# KiCad board for_real_486_2.kicad_pcb (continued)
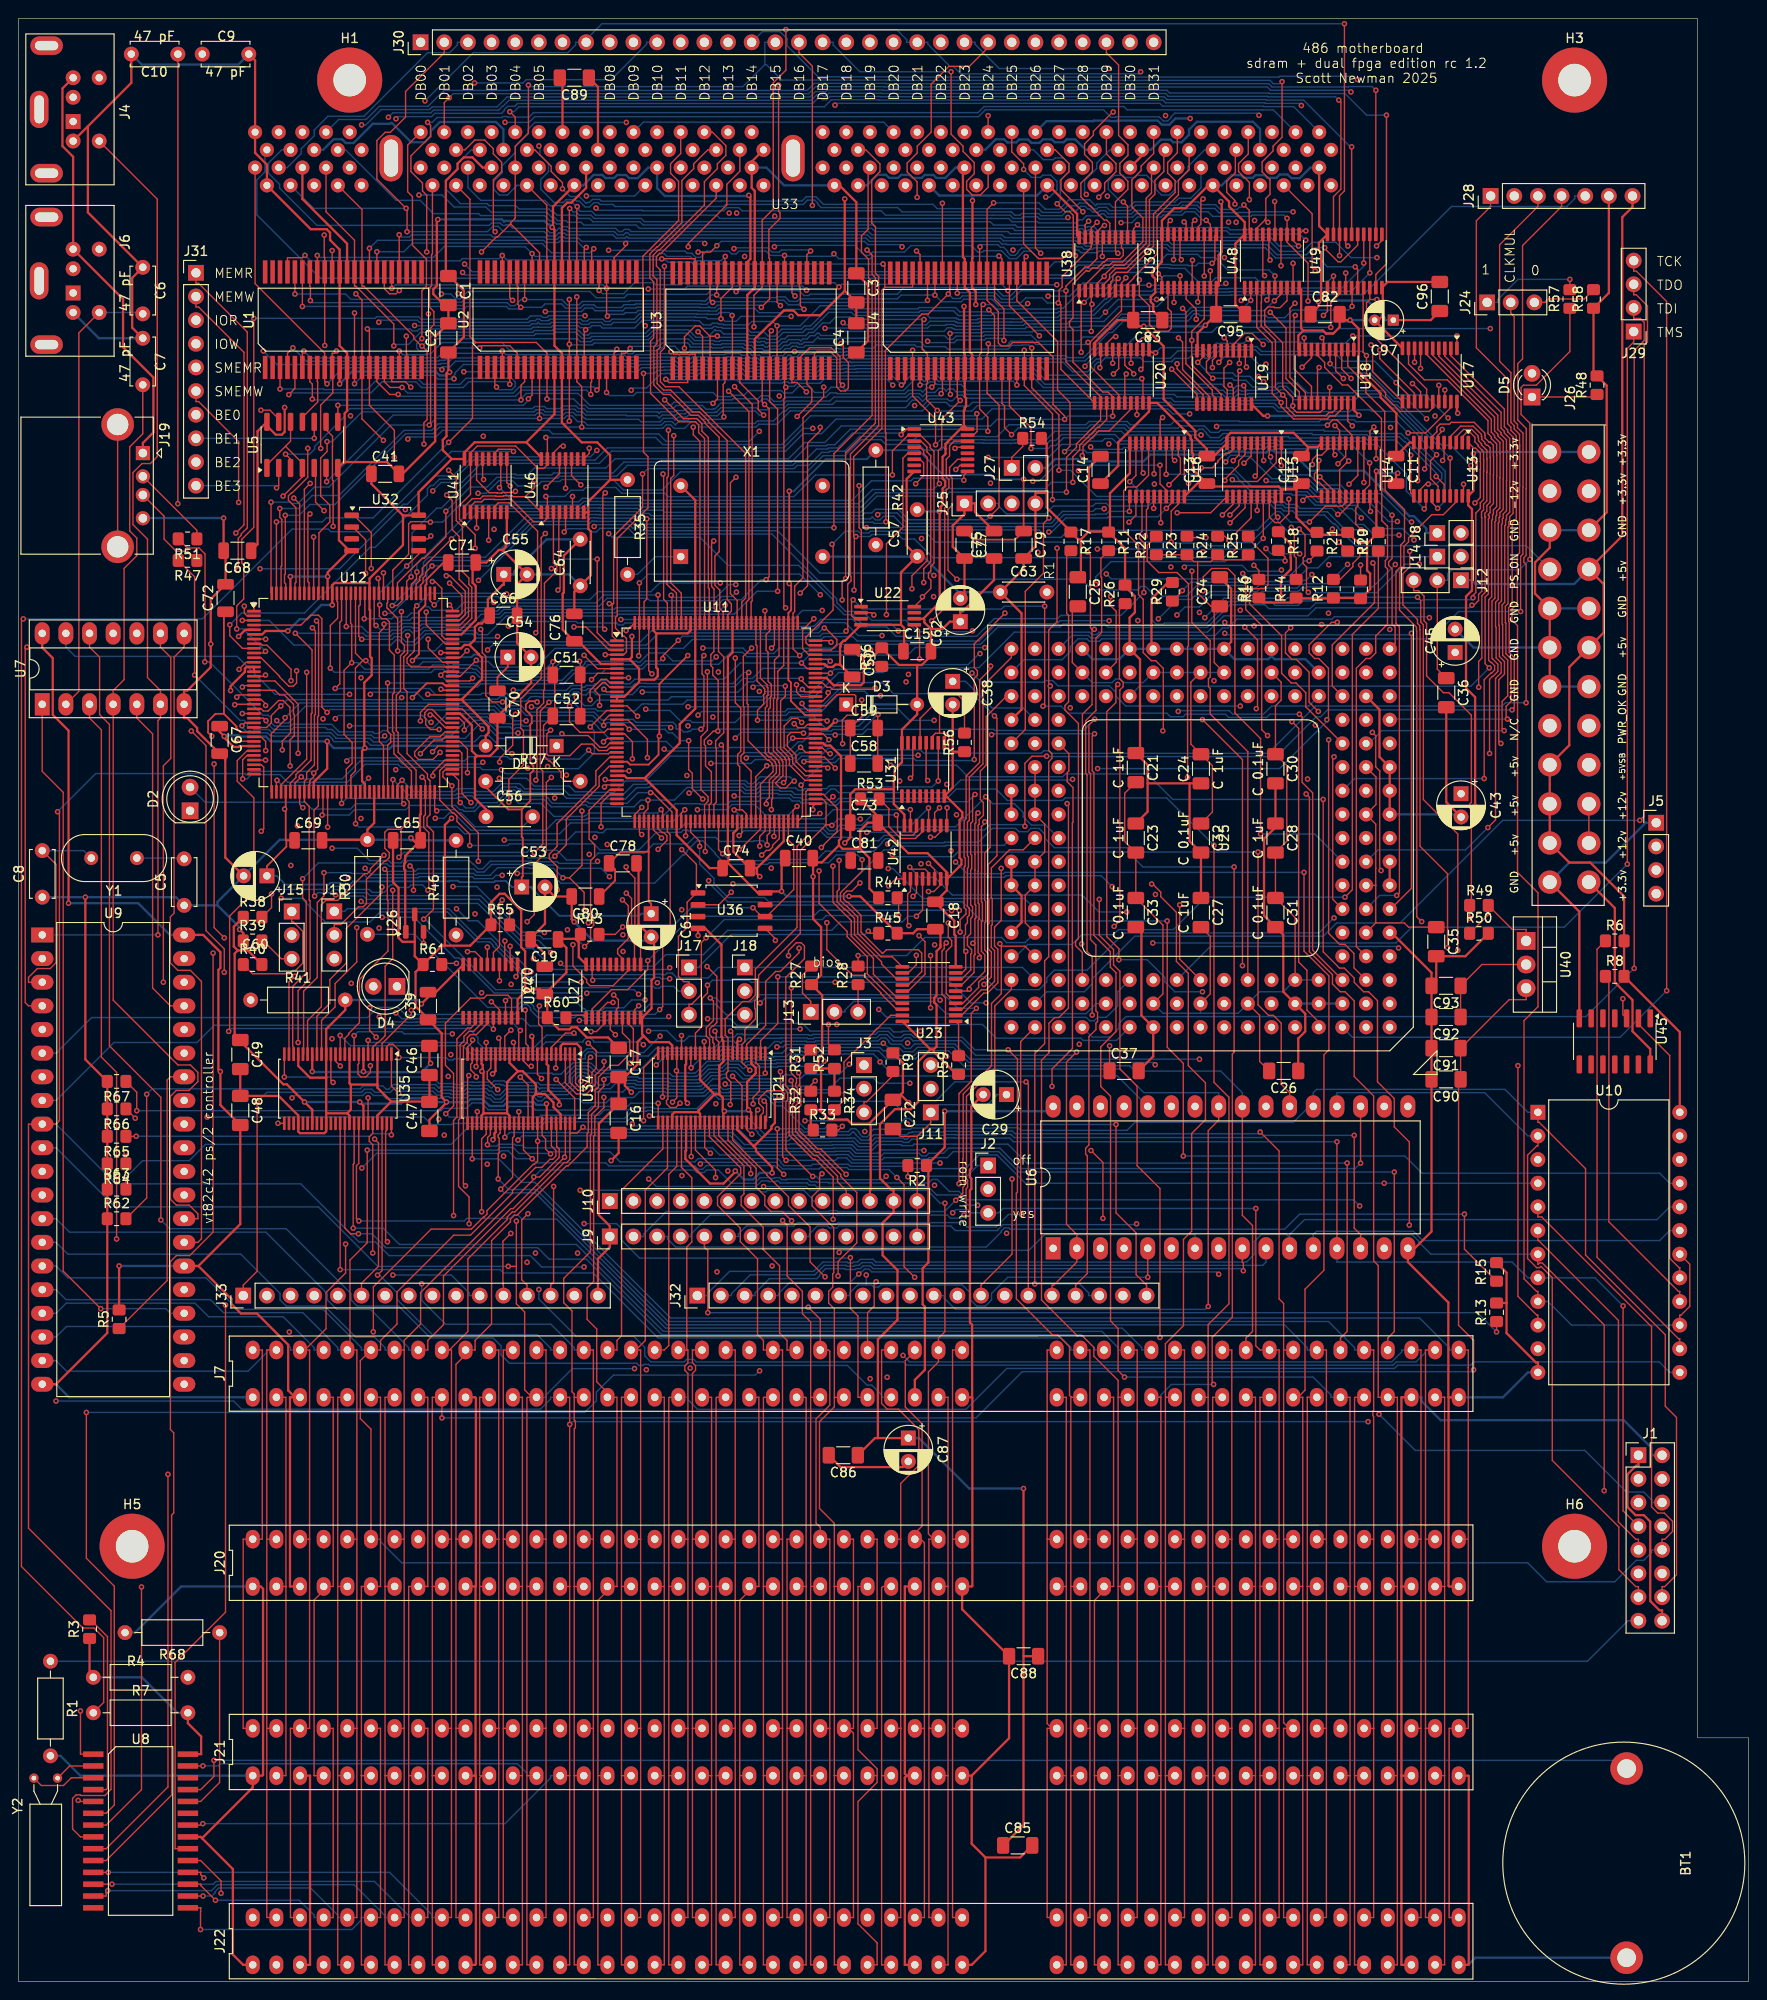
[diagram p0: board, top side]
## Routing (per net, layer and track width the routed paths; a pad name or vN(x,y) marks a point on that pad's centre or on a via; arc(x,y) is an arc through that point) (continued)
Net-(U11E-IOB_105_SDO): length 14.7
  Top w0.15: v1(81.13,122.99) 81.18,123.04 U11.67 ; U36.5 81.28,112 v1(81.28,111.81)
  In2.Cu w0.15: v1(81.28,111.81) 81.28,118.21 81.42,118.35 81.42,122.69 v1(81.13,122.99)
Net-(U11E-IOB_106_SDI): length 14.1
  Top w0.15: U11.68 81.7,124.57 81.7,122.75 80.98,122.02 80.98,121.82 80.64,121.48 80.31,121.48 v1(79.81,120.98) ; U36.2 75.2,115.64 v1(76.55,116.99)
  In2.Cu w0.15: v1(79.81,120.98) 79.81,120.16 76.64,116.99 v1(76.55,116.99)
Net-(U11E-IOB_107_SCK): length 31.3
  Top w0.15: U11.70 82.68,122.57 83.26,122 83.26,117.28 80.35,114.37 U36.6 79.83,114.37 v1(78.88,115.32) ; R43.2 64.09,112.46 v1(64.89,113.26)
  Bottom w0.15: v1(64.89,113.26) 70.19,113.26 71.46,114.53 71.46,114.53 71.8,114.87 71.8,114.87 72.25,115.32 v1(78.88,115.32)
Net-(U11E-VCC_SPI): length 46.9
  Top w0.15: v1(102.65,131.24) 102.65,139.96 102.99,140.3 102.99,140.77 102.65,141.11 102.65,143.67 v1(105.94,146.97) ; U11.72 84.19,125.1 84.19,128.35 v1(84.04,128.5)
  In1.Cu w0.15: v1(105.94,146.97) 108.2,149.22 C63.2
  Bottom w0.15: v1(84.04,128.5) 86.45,130.91 87.68,130.91 88.12,131.35 96.16,131.35 96.39,131.13 102.54,131.13 v1(102.65,131.24)
Net-(U11E-VCCPLL0): length 74.3
  Top w0.15: v1(90.56,137.64) 90.56,135.85 C59.1 C58.1 ; v1(74.66,154.72) 74.44,154.49 74.44,149.82 74.7,149.56 74.7,147.49 75.18,147.01 U11.126 75.18,142.83 75.74,142.27 75.74,134.12 74.87,133.25 74.87,132.54 74.94,132.47 74.94,126.64 74.68,126.39 U11.54
  In1.Cu w0.15: R42.2 88.24,154.31 87.62,154.93 74.88,154.93 v1(74.66,154.72)
  In2.Cu w0.15: R42.2 92.08,148.79 90.58,147.3 90.58,147.19 90.3,146.91 90.3,144.27 89.82,143.79 89.82,140.95 89.95,140.82 89.95,140.32 90.3,139.97 90.3,137.9 v1(90.56,137.64)
Net-(U12E-GNDPLL0): length 54.5
  Top w0.15: U12.53 35.19,130.2 35.82,130.83 35.82,133.07 34.96,133.93 34.96,140.82 v1(35.78,141.64) 35.78,145.75 35.66,145.87 35.66,149.06 U12.127 ; v1(60.25,141.78) 60.33,141.71 60.33,140.33 60.46,140.2 60.46,136.03 60.33,135.89
  Bottom w0.15: v1(35.78,141.64) 36.48,141.64 37.18,140.94 44.03,140.94 44.47,141.38 45.67,141.38 46.33,140.73 46.51,140.73 46.81,141.03 48.72,141.03 48.82,140.93 49.15,140.93 49.66,140.42 54.39,140.42 54.42,140.44 56.95,140.44 58.29,141.78 v1(60.25,141.78)
Net-(U12E-IOB_105_SDO): length 29.5
  Top w0.15: v1(38.78,147.85) 38.75,147.82 38.75,146.64 39.03,146.36 39.49,146.36 39.83,146.02 39.83,142.98 40.34,142.47 40.34,138.42 40.17,138.25 40.17,134.24 40.31,134.09 40.31,131.87 42.19,129.99 U12.67 ; v1(41.69,152.02) 42.97,153.31 U32.5
  Bottom w0.15: v1(41.69,152.02) 38.78,149.12 v1(38.78,147.85)
Net-(U12E-IOB_106_SDI): length 32.3
  Top w0.15: U12.68 42.69,130.1 40.77,132.02 40.77,134.13 40.57,134.33 40.57,138.15 41.02,138.6 41.02,142.4 41.43,142.81 41.43,143.53 41.12,143.84 v1(41.12,147.13) ; v1(37.27,151.23) 37.27,154.84 35.9,156.21 U32.2
  In1.Cu w0.15: v1(41.12,147.13) 41.12,147.61 40.37,148.35 40.03,148.35 37.27,151.11 v1(37.27,151.23)
Net-(U12E-IOB_107_SCK): length 62.8
  Top w0.15: v1(44.28,155.25) 43.96,154.94 U32.6 ; v1(43.96,117.2) 44.06,117.31 44.06,123.39 43.52,123.94 43.52,125.14 43.69,125.31 43.69,127.76 U12.70 43.69,128.97 43.34,129.33 v1(43.34,129.35) ; v1(27.17,116.81) 27.17,115.34 R38.2
  In2.Cu w0.15: v1(43.34,129.35) 43.74,129.76 43.74,134.62 43.73,134.63 43.73,135.63 43.61,135.75 43.61,136.54 44.57,137.49 44.57,143.37 45.4,144.21 45.4,146.92 45.58,147.09 45.58,150.53 45.36,150.75 45.36,154.17 v1(44.28,155.25)
  Bottom w0.15: v1(43.96,117.2) 43.38,117.78 42.18,117.78 41.9,117.5 40.7,117.5 40.42,117.78 39.94,117.78 39.61,117.44 39.61,117.3 39.28,116.97 37.98,116.97 37.67,117.29 34.76,117.29 34.43,117.62 33.66,117.62 33.33,117.29 27.64,117.29 v1(27.17,116.81)
Net-(U12E-VCC_SPI): length 13.7
  Top w0.15: v1(44.9,125.73) 44.69,125.94 U12.72
  Bottom w0.15: C56.2 54.12,124.01 49.01,124.01 47.52,125.5 47.24,125.5 46.88,125.85 45.03,125.85 v1(44.9,125.73)
Net-(U12E-VCCPLL0): length 60.1
  Top w0.15: v1(57.39,141.74) 57.38,141.72 C51.1 57.59,140.12 57.59,136.1 C52.1 56.39,134.9 56.39,131.66 56.98,131.06 57.09,131.06 58.27,129.89 58.27,129.34 58.7,128.91 60.33,128.91 ; 36.98,141.86 36.17,141.06 36.17,130.01 35.69,129.53 U12.54 ; 36.98,141.86 36.19,142.65 36.19,149.09 U12.126 ; 36.98,141.86 v1(37.3,141.86)
  Bottom w0.15: v1(37.3,141.86) 37.87,141.29 42.99,141.29 43.44,141.74 45.82,141.74 46.42,141.14 46.69,141.42 48.83,141.42 48.92,141.33 49.25,141.33 49.81,140.77 54.25,140.77 54.27,140.79 56.45,140.79 v1(57.39,141.74)
Net-(U13-A->B): length 24.1
  Top w0.15: v1(156.43,158.8) 157,159.38 157,162.38 157.02,162.4 157.02,163.25 157,163.27 157,164.17 156.84,164.34 156.5,164.68 156.31,164.68 155.71,165.28 ; R10.2 v1(144.14,152.13)
  In1.Cu w0.15: v1(144.14,152.13) 144.24,152.13 148.68,156.57 148.68,156.66 150.82,158.8 v1(156.43,158.8)
Net-(U14-A->B): length 17.5
  Top w0.15: v1(144.06,153.62) 144.06,153.04 143.32,152.31 143.32,151.96 141.95,150.59 R12.2 ; U14.1 145.81,165.21 v1(145.81,163.54)
  In2.Cu w0.15: v1(144.06,153.62) 143.64,154.04 143.64,160.24 143.83,160.43 143.83,161.28 145.08,162.53 145.35,162.53 145.81,162.98 v1(145.81,163.54)
Net-(U15-A->B): length 15.3
  Top w0.15: v1(136.71,156.17) 136.71,155.9 137.02,155.58 137.02,153.1 137.22,152.9 R14.2 ; U15.1 v1(135.64,162.8)
  In2.Cu w0.15: v1(135.64,162.8) 135.82,162.62 135.82,157.05 v1(136.71,156.17)
Net-(U16-A->B): length 20.7
  Top w0.15: R16.2 133.22,151.55 v1(132.68,152.09) ; 125.21,165.22 125.21,161.35 v1(125.66,160.9)
  In1.Cu w0.15: v1(132.68,152.09) 130.91,153.87 127.52,153.87 v1(127.22,153.56)
  In2.Cu w0.15: v1(125.66,160.9) 126.86,159.71 126.86,157.48 127.19,157.14 127.19,156.37 126.97,156.15 126.97,153.82 v1(127.22,153.56)
Net-(U21-1DIR): length 88.2
  Top w0.15: U21.1 v1(80.2,97.56) ; R62.2 13.76,84.15 v1(13.76,95.28)
  Bottom w0.15: v1(13.76,95.28) 14.34,95.86 36.69,95.86 37.01,96.18 39.12,96.18 39.47,95.84 39.76,95.84 40.25,96.33 44.77,96.33 45.15,95.95 45.28,96.08 46.63,96.08 46.73,95.98 47.69,95.98 47.95,96.24 48.63,96.24 48.65,96.22 49.54,96.22 49.56,96.24 50.44,96.24 50.7,95.98 50.83,95.98 51.22,96.37 51.7,96.37 51.79,96.28 52.1,96.28 52.18,96.2 55.63,96.2 55.98,95.85 56.09,95.95 57.35,95.95 57.36,95.94 58.54,95.94 59.12,96.51 59.12,97.23 59.87,97.98 60.93,97.98 60.99,97.92 61.21,97.92 61.99,97.14 61.99,96.66 62.36,96.29 63.29,96.29 63.79,96.79 66.34,96.79 66.51,96.63 69.84,96.63 69.95,96.51 71.54,96.51 71.56,96.49 72.92,96.49 72.94,96.51 73.14,96.51 74.26,97.63 75.25,97.63 75.38,97.77 75.71,97.77 76.11,98.16 76.17,98.16 76.18,98.15 77.2,98.15 78.06,97.29 79.93,97.29 v1(80.2,97.56)
Net-(U21-1~{OE}): length 73.9
  Top w0.15: R66.1 v1(12.53,92.71) ; v1(80.08,94.55) 80.34,94.29 80.34,92.41 U21.48
  In1.Cu w0.15: v1(20.25,92.84) 19.89,93.2 13.18,93.2 12.7,92.71 v1(12.53,92.71)
  Bottom w0.15: v1(80.08,94.55) 79.8,94.83 78.25,94.83 78.12,94.7 77.83,94.7 77.71,94.82 76.64,94.82 76.57,94.75 75.22,94.75 74.8,95.17 74.78,95.17 73,93.39 68.14,93.39 67.99,93.54 67.51,93.54 67.43,93.45 65.87,93.45 65.09,92.68 56.42,92.68 55.9,92.15 46.63,92.15 46.51,92.03 44.34,92.03 43.53,92.84 v1(20.25,92.84)
Net-(U21-2DIR): length 67.5
  Top w0.15: v1(67.13,92.45) 67.13,98.13 U21.24 ; v1(11.52,86.36) R63.2
  Bottom w0.15: v1(11.52,86.36) 13.32,88.15 18.31,88.15 20.06,89.9 46.45,89.9 48.35,91.8 56.04,91.8 56.57,92.33 65.32,92.33 65.67,92.68 66.9,92.68 v1(67.13,92.45)
Net-(U21-2~{OE}): length 63
  Top w0.15: v1(12.69,93.52) 12.69,95.5 R67.1 ; U21.25 v1(68.7,94.32)
  Bottom w0.15: v1(68.7,94.32) 65.74,94.32 65.4,93.98 61.57,93.98 61.18,93.59 55.49,93.59 55.09,93.99 52.72,93.99 52.35,93.62 50.43,93.62 49.69,94.36 48.7,94.36 48.12,93.78 45.65,93.78 45.39,93.52 v1(12.69,93.52)
Net-(U22-1G): length 8.4
  Top w0.15: v1(91.5,141.67) 92.28,141.67 R36.1 ; U22.2 91.62,147.01 v1(91.86,146.77)
  In2.Cu w0.15: v1(91.5,141.67) 92.08,142.25 92.08,143.9 91.7,144.28 91.7,146.6 v1(91.86,146.77)
Net-(U22-CLKIN): length 17
  Top w0.15: U22.1 90.52,147.69 90.52,155.43 90.51,155.43 90.51,155.9 90.28,156.14 v1(90.28,160.65)
  In1.Cu w0.15: X1.8 v1(90.28,160.65)
Net-(U23-A->B): length 3.8
  Top w0.15: U23.1 100.97,102.81 R59.2
Net-(U23-CE): length 13.9
  Top w0.15: U23.19 93.68,103.77 88.65,98.74 88.65,94.64 R34.2
Net-(U24-A->B): length 10
  Top w0.15: v1(53.42,107.93) 53.6,108.1 U24.1 ; v1(47.03,109.35) 45.58,109.35 R61.2
  In1.Cu w0.15: v1(47.03,109.35) 52,109.35 v1(53.42,107.93)
Net-(U24-CE): length 68.2
  Top w0.15: v1(45.88,93.2) 46.72,94.04 46.72,97.52 45.84,98.39 45.84,102.92 48.54,105.61 49.97,105.61 50.29,105.93 52.56,105.93 52.95,105.54 U24.19 ; v1(88.48,91.84) 88.08,91.44 R33.2
  Bottom w0.15: v1(45.88,93.2) 46.26,92.83 55.9,92.83 56.1,93.03 62.35,93.03 62.92,93.61 65.53,93.61 65.72,93.81 67.28,93.81 67.37,93.89 68.14,93.89 68.29,93.74 72.86,93.74 74.64,95.52 74.94,95.52 75.36,95.1 76.42,95.1 76.49,95.17 77.85,95.17 77.94,95.08 78.01,95.08 78.1,95.18 80.31,95.18 80.76,94.74 80.76,94.56 81.27,94.04 82.03,94.04 84.5,91.58 86.56,91.58 86.83,91.84 v1(88.48,91.84)
Net-(U25-DP0): length 29.1
  Top w0.15: U25.N3 138.26,136.9 138.26,138.4 137.2,139.46 136.7,139.46 135.66,140.5 135.66,144.53 132.22,147.97 132.22,149.18 132.64,149.59 133.78,149.59 134.2,150.01 134.2,152.85 132.08,154.98 R25.2
Net-(U25-DP1): length 62.9
  Top w0.15: U25.F1 147.39,115.19 149.6,117.4 v1(149.6,144.8) ; v1(130,154.77) 129.54,155.23 R24.2
  In2.Cu w0.15: v1(129.56,144.8) 128.98,145.37 128.98,146.21 129.19,146.42 129.19,152.73 129.2,152.74 129.2,153.74 130,154.54 v1(130,154.77)
  Bottom w0.15: v1(149.6,144.8) 149.44,144.63 129.72,144.63 v1(129.56,144.8)
Net-(U25-DP2): length 53
  Top w0.15: v1(133.4,123.24) 133.4,133.49 130.65,136.25 130.65,151.01 129.89,151.76 128.14,151.76 127.23,150.85 v1(127.23,149.36) ; R23.2 125.66,155.07 v1(127.54,155.07)
  In1.Cu w0.15: v1(127.54,155.07) 126.58,154.11 126.58,152.73 127.23,152.07 v1(127.23,149.36)
  Bottom w0.15: U25.H3 139.22,123.24 v1(133.4,123.24)
Net-(U25-DP3): length 61
  Top w0.15: v1(125.56,129.33) 125.56,143.36 125.66,143.45 125.66,150.1 124.44,151.32 122.47,151.32 121.23,152.56 121.23,154.24 R22.2
  In2.Cu w0.15: v1(125.56,129.33) 125.56,121.31 136.05,110.83 136.05,103.55 U25.A5
Net-(U25-FERR): length 47.6
  Top w0.15: U25.C14 114.25,110.52 113.54,111.24 113.54,111.72 113.83,112.01 113.83,135.11 112.39,136.56 112.39,137.04 112.78,137.43 112.78,146.72 112.58,146.93 112.58,153.22 R17.2
Net-(U25-IGNNE): length 55.4
  Top w0.15: R11.2 116.26,152.85 116.26,150.87 116.33,150.8 116.33,144.9 115.72,144.28 115.72,136.51 114.62,135.41 114.62,129.74 114.76,129.59 114.76,110.62 115.32,110.06 v1(115.32,103.79)
  In1.Cu w0.15: U25.A15 113.01,103.79 v1(115.32,103.79)
Net-(U25-NMI): length 46.2
  Top w0.15: v1(117.67,113.32) 118.29,113.93 118.29,138.71 118.64,139.06 118.64,139.54 118.24,139.94 118.24,147.38 R26.1
  In2.Cu w0.15: v1(117.67,113.32) 112.98,108.63 112.98,106.3 U25.B15
Net-(U27-A->B): length 2.4
  Top w0.15: R60.2 59.06,103.78 60.68,103.78 U27.1
Net-(U27-CE): length 32.3
  Top w0.15: v1(86.99,102.78) 86.99,100.7 R52.2 ; v1(61.66,107.52) 61.61,107.58 U27.19
  In1.Cu w0.15: v1(69.93,107.7) 79.4,107.7 84.32,102.78 v1(86.99,102.78)
  Bottom w0.15: v1(69.93,107.7) 68.99,107.7 68.85,107.84 68.37,107.84 68.23,107.7 61.84,107.7 v1(61.66,107.52)
Net-(U31-SER): length 11.2
  Top w0.15: v1(99.73,126.06) 99.69,126.03 99.69,124.15 ; v1(95.79,129.23) 96.05,129.49 96.05,132.91 U31.14
  In1.Cu w0.15: v1(95.79,129.23) 96.56,129.23 v1(99.73,126.06)
Net-(U31-~{OE}): length 12.2
  Top w0.15: U31.13 96.83,135.66 99.43,138.25 100.81,138.25 101.6,137.47 R56.2
Net-(U35-1DIR): length 56.1
  Top w0.15: v1(40.81,95.39) 40.04,96.17 U35.1 ; R32.2 85.09,96.25 v1(85.57,96.73)
  Bottom w0.15: v1(85.57,96.73) 85.01,96.17 82.43,96.17 82.02,96.58 76.51,96.58 76.03,97.06 75.68,97.06 75.54,96.93 74.55,96.93 73.43,95.81 73.23,95.81 73.21,95.79 71.27,95.79 71.25,95.81 69.66,95.81 69.54,95.92 66.21,95.92 66.05,96.08 65.45,96.08 64.9,95.53 61.96,95.53 61.29,96.2 61.29,96.84 60.92,97.22 60.69,97.22 60.63,97.28 60.16,97.28 59.82,96.94 59.82,96.46 60.01,96.27 58.97,95.24 57.07,95.24 57.05,95.25 56.38,95.25 56.14,95.01 56.08,95.01 56.06,95.02 55.81,95.02 55.34,95.5 52.48,95.5 52.39,95.41 52.39,95.41 51.84,94.86 51.84,94.86 51.75,94.78 51.16,94.78 50.75,95.19 50.5,95.19 50.15,95.53 49.85,95.53 49.83,95.51 48.36,95.51 48.34,95.53 48.24,95.53 47.98,95.28 46.44,95.28 46.34,95.38 45.57,95.38 45.39,95.2 44.9,95.2 44.48,95.62 41.04,95.62 v1(40.81,95.39)
Net-(U35-1~{OE}): length 29.9
  Top w0.15: v1(12.63,90.78) 12.62,90.76 R65.1 ; U35.48 v1(40.04,90.92)
  Bottom w0.15: v1(12.63,90.78) 37.72,90.78 38,91.05 39.91,91.05 v1(40.04,90.92)
Net-(U35-2DIR): length 63.4
  Top w0.15: U35.24 v1(28.54,97.13) ; R31.2 84.02,98.99 v1(83.77,98.99)
  Bottom w0.15: v1(83.77,98.99) 83.42,98.64 81.45,98.64 81.37,98.56 79.16,98.56 78.93,98.8 78.16,98.8 77.85,98.49 77.49,98.85 76.47,98.85 76.3,99.02 75.97,99.02 75.42,98.47 75.09,98.47 75.03,98.41 74.04,98.41 72.85,97.22 72.65,97.22 72.62,97.2 71.86,97.2 71.83,97.22 70.24,97.22 69.93,97.52 62.1,97.52 61.36,98.27 61.13,98.27 61.07,98.33 59.72,98.33 58.76,97.38 58.76,96.74 58.32,96.29 57.5,96.29 57.49,96.31 56.02,96.31 55.78,96.55 52.32,96.55 52.16,96.72 51.07,96.72 50.76,96.41 50.59,96.59 49.41,96.59 49.39,96.57 48.8,96.57 48.78,96.59 47.8,96.59 47.55,96.33 46.88,96.33 46.78,96.44 45.16,96.44 44.46,97.13 v1(28.54,97.13)
Net-(U35-2~{OE}): length 19.5
  Top w0.15: R64.1 v1(11.52,89.02) ; U35.25 v1(27.86,92.17)
  In1.Cu w0.15: v1(11.52,89.02) 12.05,89.02 13.84,90.81 26.49,90.81 v1(27.86,92.17)
Net-(U40-ADJ): length 10.2
  Top w0.15: R50.1 157.86,114.57 R49.2 160.44,112.99 161.93,112.99 U40.1
Net-(U41-DS): length 56.1
  Top w0.15: U41.10 51.79,160.58 v1(51.65,160.44) ; v1(101.53,161.24) 101.53,161.79 U43.9
  Bottom w0.15: v1(51.65,160.44) 53.17,158.92 60.17,158.92 60.56,159.31 62.78,159.31 62.78,159.31 66.9,159.31 67.13,159.08 89.52,159.08 91.62,161.18 95.85,161.18 96.12,161.45 99.14,161.45 99.18,161.41 101.35,161.41 v1(101.53,161.24)
Net-(U42-~{OE}): length 8.5
  Top w0.15: R53.2 93.47,125.97 93.47,124.03 94.75,122.75 96.33,122.75 97.09,123.52 U42.13
Net-(U43-DS): length 45
  Top w0.15: v1(100.67,162.39) 101.12,162.84 U43.10 ; v1(61.3,164.68) 61.3,164.12 60.69,163.52
  In1.Cu w0.15: v1(61.3,164.68) 61.69,165.08 65.23,165.08 68.98,161.33 69.45,161.33 69.9,161.78 76.01,161.78 76.81,160.98 77.29,160.98 78.7,162.39 v1(100.67,162.39)
Net-(X1-Tri-State): length 6.5
  Bottom w0.15: R35.2 66.48,151.13 68.39,153.03 X1.1
unconnected-(J19-Shield-Pad5): length 13.1
  Top w0.15: J19.5 J19.5
unconnected-(J20--5V-Pad5): length 65.1
  Top w0.15: J7.5 34.28,62.74 34.28,42.42 ; 34.28,22.1 34.28,1.78 J22.5 ; 34.28,22.1 34.28,42.42 ; 34.28,22.1 J21.5 ; 34.28,42.42 J20.5
unconnected-(J20--12V-Pad7): length 65.1
  Top w0.15: J22.7 39.36,1.78 39.36,22.1 ; 39.36,22.1 39.36,42.42 ; 39.36,22.1 J21.7 ; 39.36,42.42 J20.7 ; 39.36,42.42 39.36,62.74 J7.7

## Text on the board
F.Silkscreen: rom write | MEMR | MEMW | IOR | IOW | SMEMR | SMEMW | BE0 | BE1 | BE2 | BE3 | bios | off | yes | 1 | 0 | TCK | TDO | TDI | TMS | 486 motherboard / sdram + dual fpga edition rc 1.2 / Scott Newman 2025 | vt82c42 ps/2 controller | DB00 | DB01 | DB02 | DB03 | DB04 | DB05 | DB08 | DB09 | DB10 | DB11 | DB12 | DB13 | DB14 | DB15 | DB16 | DB17 | DB18 | DB19 | DB20 | DB21 | DB22 | DB23 | DB24 | DB25 | DB26 | R1 | DB27 | DB28 | DB29 | DB30 | DB31 | CLKMUL
